# KiCad board EOutside.kicad_pcb (continued)
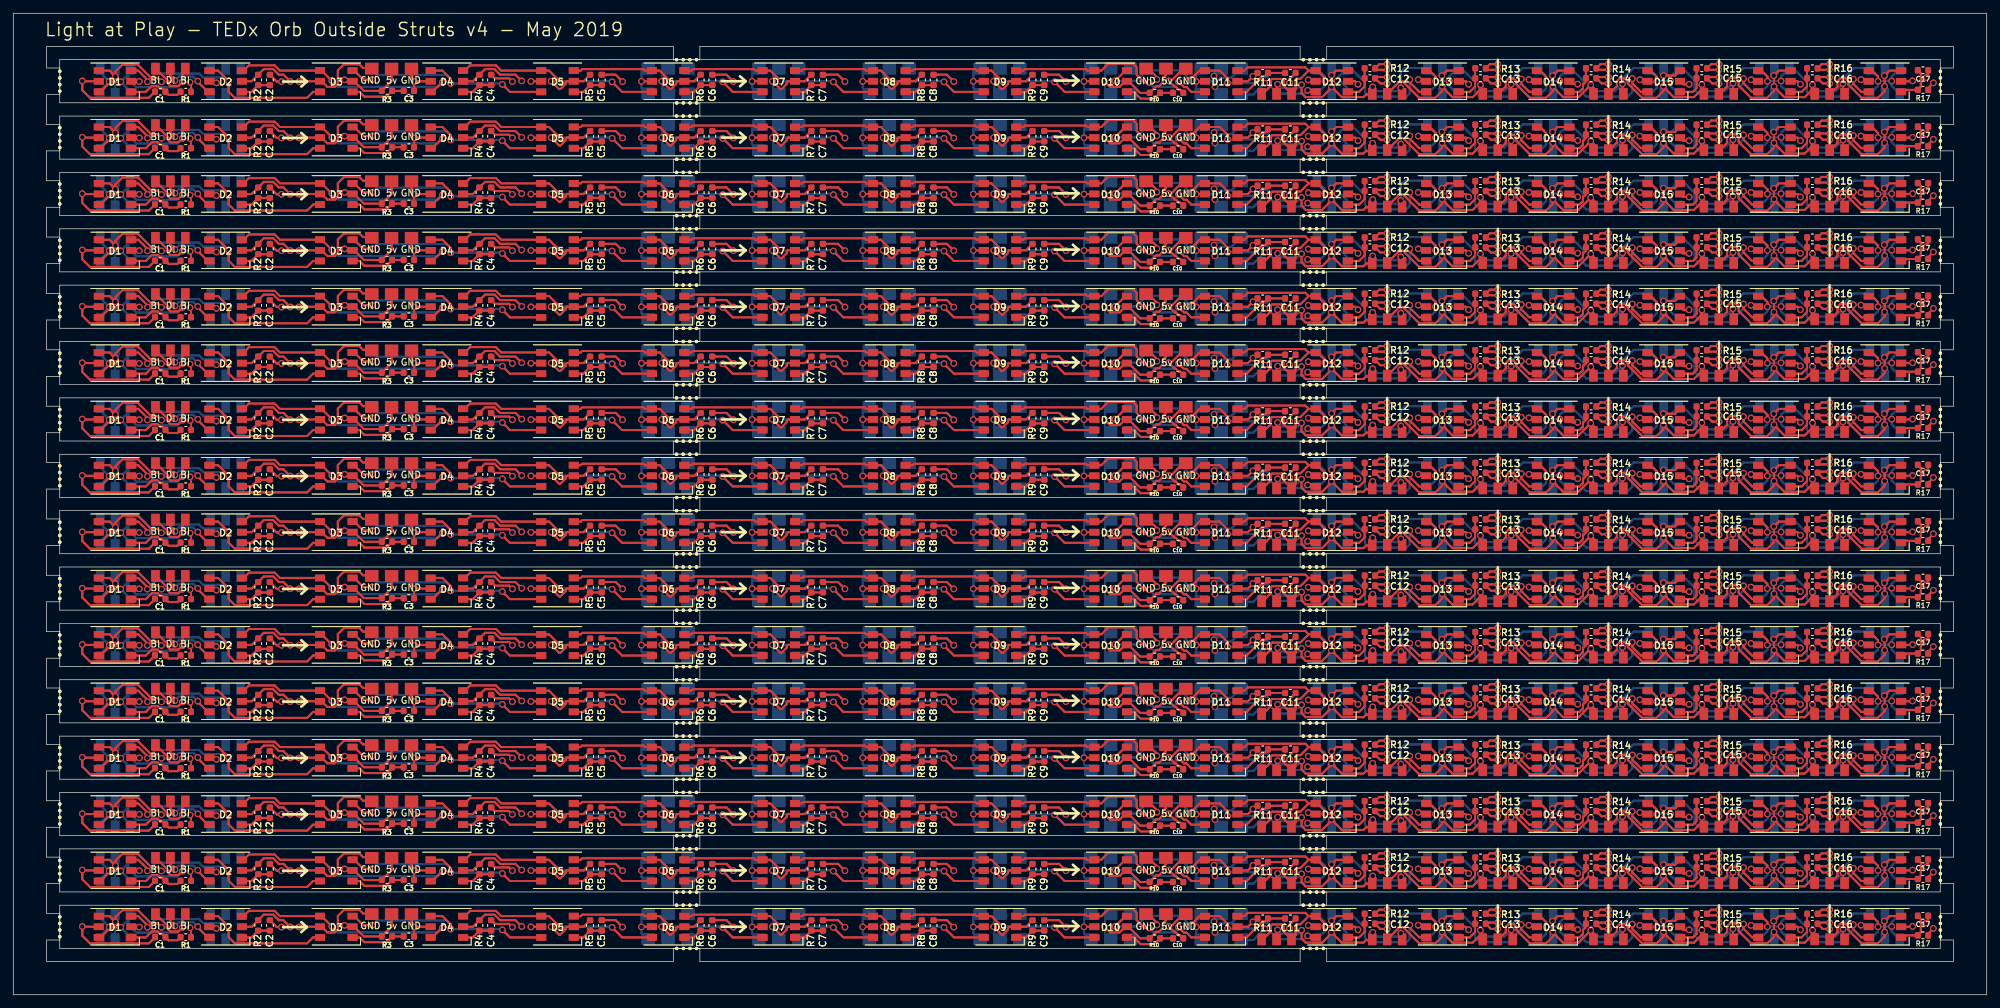
[diagram p0: board, top side]
## Nets (continued)
Net-(D16-Pad3): D16.3 D16#2.3 D16#3.3 D16#4.3 D16#5.3 D16#6.3 D16#7.3 D16#8.3 D16#9.3 D16#10.3 D16#11.3 D16#12.3 D16#13.3 D16#14.3 D16#15.3 D16#16.3 D16#17.3 D16#18.3 D16#19.3 D16#20.3 D16#21.3 D16#22.3 D16#23.3 D16#24.3 D16#25.3 D16#26.3 D16#27.3 D16#28.3 D16#29.3 D16#30.3 D16#31.3 D16#32.3 D17.4 D17#2.4 D17#3.4 D17#4.4 D17#5.4 D17#6.4 D17#7.4 D17#8.4 D17#9.4 D17#10.4 D17#11.4 D17#12.4 D17#13.4 D17#14.4 D17#15.4 D17#16.4 D17#17.4 D17#18.4 D17#19.4 D17#20.4 D17#21.4 D17#22.4 D17#23.4 D17#24.4 D17#25.4 D17#26.4 D17#27.4 D17#28.4 D17#29.4 D17#30.4 D17#31.4 D17#32.4 J14.1 J14#2.1 J14#3.1 J14#4.1 J14#5.1 J14#6.1 J14#7.1 J14#8.1 J14#9.1 J14#10.1 J14#11.1 J14#12.1 J14#13.1 J14#14.1 J14#15.1 J14#16.1 J14#17.1 J14#18.1 J14#19.1 J14#20.1 J14#21.1 J14#22.1 J14#23.1 J14#24.1 J14#25.1 J14#26.1 J14#27.1 J14#28.1 J14#29.1 J14#30.1 J14#31.1 J14#32.1 J14#33.1 J14#34.1 J14#35.1 J14#36.1 J14#37.1 J14#38.1 J14#39.1 J14#40.1 J14#41.1 J14#42.1 J14#43.1 J14#44.1 J14#45.1 J14#46.1 J14#47.1 J14#48.1 J14#49.1 J14#50.1 J14#51.1 J14#52.1 J14#53.1 J14#54.1 J14#55.1 J14#56.1 J14#57.1 J14#58.1 J14#59.1 J14#60.1 J14#61.1 J14#62.1 J14#63.1 J14#64.1 J14#65.1 J14#66.1 J14#67.1 J14#68.1 J14#69.1 J14#70.1 J14#71.1 J14#72.1 J14#73.1 J14#74.1 J14#75.1 J14#76.1 J14#77.1 J14#78.1 J14#79.1 J14#80.1 J14#81.1 J14#82.1 J14#83.1 J14#84.1 J14#85.1 J14#86.1 J14#87.1 J14#88.1 J14#89.1 J14#90.1 J14#91.1 J14#92.1 J14#93.1 J14#94.1 J14#95.1 J14#96.1 J15.2 J15#2.2 J15#3.2 J15#4.2 J15#5.2 J15#6.2 J15#7.2 J15#8.2 J15#9.2 J15#10.2 J15#11.2 J15#12.2 J15#13.2 J15#14.2 J15#15.2 J15#16.2 J15#17.2 J15#18.2 J15#19.2 J15#20.2 J15#21.2 J15#22.2 J15#23.2 J15#24.2 J15#25.2 J15#26.2 J15#27.2 J15#28.2 J15#29.2 J15#30.2 J15#31.2 J15#32.2 J15#33.2 J15#34.2 J15#35.2 J15#36.2 J15#37.2 J15#38.2 J15#39.2 J15#40.2 J15#41.2 J15#42.2 J15#43.2 J15#44.2 J15#45.2 J15#46.2 J15#47.2 J15#48.2 J15#49.2 J15#50.2 J15#51.2 J15#52.2 J15#53.2 J15#54.2 J15#55.2 J15#56.2 J15#57.2 J15#58.2 J15#59.2 J15#60.2 J15#61.2 J15#62.2 J15#63.2 J15#64.2 J15#65.2 J15#66.2 J15#67.2 J15#68.2 J15#69.2 J15#70.2 J15#71.2 J15#72.2 J15#73.2 J15#74.2 J15#75.2 J15#76.2 J15#77.2 J15#78.2 J15#79.2 J15#80.2 J15#81.2 J15#82.2 J15#83.2 J15#84.2 J15#85.2 J15#86.2 J15#87.2 J15#88.2 J15#89.2 J15#90.2 J15#91.2 J15#92.2 J15#93.2 J15#94.2 J15#95.2 J15#96.2
Net-(D17-Pad3): D17.3 D17#2.3 D17#3.3 D17#4.3 D17#5.3 D17#6.3 D17#7.3 D17#8.3 D17#9.3 D17#10.3 D17#11.3 D17#12.3 D17#13.3 D17#14.3 D17#15.3 D17#16.3 D17#17.3 D17#18.3 D17#19.3 D17#20.3 D17#21.3 D17#22.3 D17#23.3 D17#24.3 D17#25.3 D17#26.3 D17#27.3 D17#28.3 D17#29.3 D17#30.3 D17#31.3 D17#32.3 J15.1 J15#2.1 J15#3.1 J15#4.1 J15#5.1 J15#6.1 J15#7.1 J15#8.1 J15#9.1 J15#10.1 J15#11.1 J15#12.1 J15#13.1 J15#14.1 J15#15.1 J15#16.1 J15#17.1 J15#18.1 J15#19.1 J15#20.1 J15#21.1 J15#22.1 J15#23.1 J15#24.1 J15#25.1 J15#26.1 J15#27.1 J15#28.1 J15#29.1 J15#30.1 J15#31.1 J15#32.1 J15#33.1 J15#34.1 J15#35.1 J15#36.1 J15#37.1 J15#38.1 J15#39.1 J15#40.1 J15#41.1 J15#42.1 J15#43.1 J15#44.1 J15#45.1 J15#46.1 J15#47.1 J15#48.1 J15#49.1 J15#50.1 J15#51.1 J15#52.1 J15#53.1 J15#54.1 J15#55.1 J15#56.1 J15#57.1 J15#58.1 J15#59.1 J15#60.1 J15#61.1 J15#62.1 J15#63.1 J15#64.1 J15#65.1 J15#66.1 J15#67.1 J15#68.1 J15#69.1 J15#70.1 J15#71.1 J15#72.1 J15#73.1 J15#74.1 J15#75.1 J15#76.1 J15#77.1 J15#78.1 J15#79.1 J15#80.1 J15#81.1 J15#82.1 J15#83.1 J15#84.1 J15#85.1 J15#86.1 J15#87.1 J15#88.1 J15#89.1 J15#90.1 J15#91.1 J15#92.1 J15#93.1 J15#94.1 J15#95.1 J15#96.1

Pads without a net: J7#37 1 2; J7#38 1 2; J7#39 1 2; J7#40 1 2; J7#45 1 2; J7#46 1 2; J7#50 1 2; J7#51 1 2; J7#57 1 2; J7#58 1 2; J7#62 1 2; J7#63 1 2; J7#68 1 2; J7#69 1 2; J7#73 1 2; J7#74 1 2; J7#81 1 2; J7#82 1 2; J7#86 1 2; J7#87 1 2; J7#92 1 2; J7#93 1 2; J7#97 1 2; J7#98 1 2; J7#103 1 2; J7#104 1 2; J7#109 1 2; J7#113 1 2; J7#114 1 2; J7#115 1 2; J7#119 1 2; J7#122 1 2; J7#131 1 2; J7#133 1 2; J7#134 1 2; J7#140 1 2; J7#144 1 2; J7#146 1 2; J7#147 1 2; J7#150 1 2; J7#151 1 2; J7#153 1 2; J7#154 1 2; J7#168 1 2; J7#169 1 2; J7#172 1 2; J7#173 1 2; J7#176 1 2; J7#180 1 2; J7#184 1 2; J7#186 1 2; J7#187 1 2; J7#190 1 2; J7#192 1 2; J7#194 1 2; J7#195 1 2; J7#198 1 2; J7#199 1 2; J7#202 1 2; J7#204 1 2; J7#205 1 2; J7#211 1 2; J7#217 1 2; J7#218 1 2

## Via types
v1: diameter 1, hole 0.6, Top to Bottom, 4352 vias
v2: diameter 0.9, hole 0.6, Top to Bottom, 160 vias

## Routing (per net, layer and track width the routed paths; a pad name or vN(x,y) marks a point on that pad's centre or on a via; arc(x,y) is an arc through that point)
+5V: length 4777.5
  Top w0.3: 152.58,137.75 R9.1 152.58,137.75 ; 152.58,137.75 D9.2 ; 152.58,137.75 D9.2 ; 135.91,137.75 R8.1 135.91,137.75 ; 135.91,137.75 D8.2 ; 135.91,137.75 D8.2 ; 119.25,137.75 R7.1 119.25,137.75 ; 119.25,137.75 D7.2 ; 119.25,137.75 D7.2 ; 102.58,137.75 R6.1 102.58,137.75 ; 102.58,137.75 D6.2 ; 102.58,137.75 D6.2 ; 85.91,137.75 R5.1 85.91,137.75 ; 85.91,137.75 D5.2 ; 85.91,137.75 D5.2 ; 69.25,137.75 R4.1 ; 69.25,137.75 D4.2 69.25,137.75 ; 69.25,137.75 R4.1 ; R4.1 71.07,139.58 ; R4.1 71.07,139.58 ; 35.91,137.75 R2.1 ; 35.91,137.75 D2.2 35.91,137.75 ; 35.91,137.75 R2.1 ; R2.1 37.74,139.58 ; R2.1 37.74,139.58 ; D9.2 150.07,137.75 ; D9.2 150.07,137.75 ; D8.2 133.4,137.75 ; D8.2 133.4,137.75 ; D7.2 116.73,137.75 ; D7.2 116.73,137.75 ; D6.2 100.07,137.75 ; D6.2 100.07,137.75 ; D5.2 83.4,137.75 ; D5.2 83.4,137.75 ; 148.9,136.57 v1(147.72,137.75) 148.9,136.57 ; 148.9,136.57 149.11,136.57 ; 148.9,136.57 149.11,136.57 ; 132.23,136.57 v1(131.05,137.75) 132.23,136.57 ; 132.23,136.57 132.44,136.57 ; 132.23,136.57 132.44,136.57 ; 115.56,136.57 v1(114.38,137.75) 115.56,136.57 ; 115.56,136.57 115.77,136.57 ; 115.56,136.57 115.77,136.57 ; 98.9,136.57 v1(97.72,137.75) 98.9,136.57 ; 98.9,136.57 99.11,136.57 ; 98.9,136.57 99.11,136.57 ; 82.23,136.57 v1(81.05,137.75) 82.23,136.57 ; 82.23,136.57 82.44,136.57 ; 82.23,136.57 82.44,136.57 ; 149.11,136.57 149.87,137.34 ; 149.11,136.57 149.87,137.34 ; 132.44,136.57 133.21,137.34 ; 132.44,136.57 133.21,137.34 ; 115.77,136.57 116.54,137.34 ; 115.77,136.57 116.54,137.34 ; 99.11,136.57 99.87,137.34 ; 99.11,136.57 99.87,137.34 ; 82.44,136.57 83.2,137.34 ; 82.44,136.57 83.2,137.34 ; 149.87,137.55 149.87,137.34 ; 149.87,137.55 150.07,137.75 ; 149.87,137.55 150.07,137.75 ; 149.87,137.55 149.87,137.34 ; 133.21,137.55 133.21,137.34 ; 133.21,137.55 133.4,137.75 ; 133.21,137.55 133.21,137.34 ; 133.21,137.55 133.4,137.75 ; 116.54,137.55 116.54,137.34 ; 116.54,137.55 116.73,137.75 ; 116.54,137.55 116.54,137.34 ; 116.54,137.55 116.73,137.75 ; 99.87,137.55 99.87,137.34 ; 99.87,137.55 100.07,137.75 ; 99.87,137.55 100.07,137.75 ; 99.87,137.55 99.87,137.34 ; 83.2,137.55 83.2,137.34 ; 83.2,137.55 83.4,137.75 ; 83.2,137.55 83.2,137.34 ; 83.2,137.55 83.4,137.75 ; 218.82,137.75 D13.2 218.82,137.75 ; 218.82,137.75 v1(219.27,137.3) 218.82,137.75 ; 222.47,140.33 v1(223.67,140.33) 222.47,140.33 ; 222.47,140.33 221.85,139.7 ; 222.47,140.33 221.85,139.7 ; 221.85,139.7 222.07,139.48 ; 221.85,139.7 222.07,139.48 ; 222.07,139.48 v2(223.67,139.48) 222.07,139.48 ; 239.14,140.33 v1(240.33,140.33) 239.14,140.33 ; 239.14,140.33 R14.1 ; 239.14,140.33 R14.1 ; 238.74,139.48 v2(240.33,139.48) 238.74,139.48 ; 238.74,139.48 R14.1 ; 238.74,139.48 R14.1 ; 255.81,140.33 v1(257,140.33) 255.81,140.33 ; 255.81,140.33 R15.1 ; 255.81,140.33 R15.1 ; 255.41,139.48 R15.1 ; 255.41,139.48 v2(257,139.48) 255.41,139.48 ; 255.41,139.48 R15.1 ; 268.82,137.75 v1(269.27,137.3) 268.82,137.75 ; 268.82,137.75 D16.2 268.82,137.75 ; 272.47,140.33 v1(273.67,140.33) 272.47,140.33 ; 272.47,140.33 271.85,139.7 ; 272.47,140.33 271.85,139.7 ; 272.07,139.48 271.85,139.7 ; 272.07,139.48 v2(273.67,139.48) 272.07,139.48 ; 272.07,139.48 271.85,139.7 ; R10#2.1 169.78,127.5 ; R10#2.1 172.21,128.5 ; R10#2.1 169.78,127.5 ; R10#2.1 172.21,128.5 ; 169.78,127.5 168.03,129.25 ; 169.78,127.5 168.03,129.25 ; 268.82,129.25 D16#2.2 268.82,129.25 ; 268.82,129.25 v1(269.27,128.8) 268.82,129.25 ; 255.81,131.83 v1(257,131.83) 255.81,131.83 ; 255.81,131.83 R15#2.1 ; 255.81,131.83 R15#2.1 ; 238.74,130.98 R14#2.1 ; 238.74,130.98 v2(240.33,130.98) 238.74,130.98 ; 238.74,130.98 R14#2.1 ; R14#2.1 239.14,131.83 ; R14#2.1 239.14,131.83 ; 272.07,130.98 271.85,131.2 ; 272.07,130.98 v2(273.67,130.98) 272.07,130.98 ; 272.07,130.98 271.85,131.2 ; 271.85,131.2 272.47,131.83 ; 271.85,131.2 272.47,131.83 ; 239.14,131.83 v1(240.33,131.83) 239.14,131.83 ; 222.07,130.98 v2(223.67,130.98) 222.07,130.98 ; 222.07,130.98 221.85,131.2 ; 222.07,130.98 221.85,131.2 ; 172.63,128.5 173.2,129.07 ; 172.63,128.5 172.21,128.5 ; 172.63,128.5 173.2,129.07 ; 172.63,128.5 172.21,128.5 ; 173.2,129.07 173.2,129.73 ; 173.2,129.07 173.2,129.73 ; 173.2,129.73 173.67,130.2 ; 173.2,129.73 173.67,130.2 ; 173.67,130.2 173.67,131.25 173.67,130.2 ; 167.53,129.25 166.68,128.4 ; 167.53,129.25 D10#2.2 ; 167.53,129.25 166.68,128.4 ; 167.53,129.25 D10#2.2 ; 166.68,128.4 165.23,128.4 ; 166.68,128.4 165.23,128.4 ; 168.03,129.25 D10#2.2 ; 168.03,129.25 D10#2.2 ; 165.23,128.4 164.88,128.75 ; 165.23,128.4 164.88,128.75 ; 164.88,128.75 v1(164.38,129.25) 164.88,128.75 ; 71.07,131.08 72.5,131.08 ; 71.07,131.08 R4#2.1 ; 71.07,131.08 72.5,131.08 ; 71.07,131.08 R4#2.1 ; 72.5,131.08 73.34,130.24 ; 72.5,131.08 73.34,130.24 ; 75.66,130.24 v1(76.6,129.3) 75.66,130.24 ; 75.66,130.24 73.34,130.24 ; 75.66,130.24 73.34,130.24 ; 272.47,131.83 v1(273.67,131.83) 272.47,131.83 ; R15#2.1 255.41,130.98 ; R15#2.1 255.41,130.98 ; 255.41,130.98 v2(257,130.98) 255.41,130.98 ; 222.47,131.83 v1(223.67,131.83) 222.47,131.83 ; 222.47,131.83 221.85,131.2 ; 222.47,131.83 221.85,131.2 ; 235,128.82 v1(235.71,128.82) 235,128.82 ; 235,128.82 234.88,128.82 ; 235,128.82 234.88,128.82 ; 251.79,128.79 v1(252.5,128.79) 251.79,128.79 ; 251.79,128.79 251.57,128.79 ; 251.79,128.79 251.57,128.79 ; 234.88,128.82 D14#2.2 234.88,128.82 ; 251.57,128.79 D15#2.2 251.57,128.79 ; 186.02,129.25 186.27,129.5 ; 186.02,129.25 D11#2.2 186.02,129.25 ; 186.02,129.25 186.27,129.5 ; 186.27,129.5 v1(186.77,130) ; 186.27,129.5 v1(186.77,130) ; v1(186.77,130) 186.96,130 ; v1(186.77,130) 186.96,130 ; 186.96,130 R11#2.1 186.96,130 ; 286.12,129.25 v1(286.17,129.3) 286.12,129.25 ; 286.12,129.25 D17#2.2 286.12,129.25 ; 288.52,128.23 v1(289.29,129) 288.52,128.23 ; 288.52,128.23 R17#2.1 288.52,128.23 ; 202.15,129.25 D12#2.2 202.15,129.25 ; 202.15,129.25 v1(202.6,128.8) 202.15,129.25 ; 18.94,129.25 D1#2.2 18.94,129.25 ; 18.94,129.25 v1(18.99,129.2) 18.94,129.25 ; 26.78,128.96 v1(26.64,129.1) 26.78,128.96 ; 26.78,128.96 R1#2.1 26.78,128.96 ; 205.81,131.83 R12#2.1 ; 205.81,131.83 v1(207,131.83) 205.81,131.83 ; 205.81,131.83 R12#2.1 ; R12#2.1 205.41,130.98 ; R12#2.1 205.41,130.98 ; 218.82,129.25 D13#2.2 218.82,129.25 ; 218.82,129.25 v1(219.27,128.8) 218.82,129.25 ; 205.41,130.98 v2(207,130.98) 205.41,130.98 ; 41.23,129.71 v1(41.73,129.21) 41.23,129.71 ; 41.23,129.71 40.7,130.24 ; 41.23,129.71 40.7,130.24 ; 69.25,129.25 R4#2.1 ; 69.25,129.25 D4#2.2 69.25,129.25 ; 69.25,129.25 R4#2.1 ; 50.07,129.25 49.92,129.4 ; 50.07,129.25 D3#2.2 ; 50.07,129.25 49.92,129.4 ; 50.07,129.25 D3#2.2 ; 49.92,129.4 v1(49.92,129.47) 49.92,129.4 ; D3#2.2 51.37,129.25 ; D3#2.2 51.37,129.25 ; 39.17,131.08 40.01,130.24 ; 39.17,131.08 37.74,131.08 ; 39.17,131.08 40.01,130.24 ; 39.17,131.08 37.74,131.08 ; 40.01,130.24 40.7,130.24 ; 40.01,130.24 40.7,130.24 ; 37.74,131.08 R2#2.1 ; 37.74,131.08 R2#2.1 ; R2#2.1 35.91,129.25 ; R2#2.1 35.91,129.25 ; 83.2,129.05 83.2,128.84 ; 83.2,129.05 83.4,129.25 ; 83.2,129.05 83.2,128.84 ; 83.2,129.05 83.4,129.25 ; 83.2,128.84 82.44,128.07 ; 83.2,128.84 82.44,128.07 ; 35.91,129.25 D2#2.2 35.91,129.25 ; 85.91,129.25 R5#2.1 85.91,129.25 ; 85.91,129.25 D5#2.2 ; 85.91,129.25 D5#2.2 ; 82.44,128.07 82.23,128.07 ; 82.44,128.07 82.23,128.07 ; 82.23,128.07 v1(81.05,129.25) 82.23,128.07 ; D5#2.2 83.4,129.25 ; D5#2.2 83.4,129.25 ; 99.87,128.84 99.11,128.07 ; 99.87,128.84 99.87,129.05 ; 99.87,128.84 99.11,128.07 ; 99.87,128.84 99.87,129.05 ; 99.11,128.07 98.9,128.07 ; 99.11,128.07 98.9,128.07 ; 100.07,129.25 99.87,129.05 ; 100.07,129.25 D6#2.2 ; 100.07,129.25 99.87,129.05 ; 100.07,129.25 D6#2.2 ; D6#2.2 102.58,129.25 ; D6#2.2 102.58,129.25 ; 148.9,128.07 v1(147.72,129.25) 148.9,128.07 ; 148.9,128.07 149.11,128.07 ; 148.9,128.07 149.11,128.07 ; 149.11,128.07 149.87,128.84 ; 149.11,128.07 149.87,128.84 ; 150.07,129.25 149.87,129.05 ; 150.07,129.25 D9#2.2 ; 150.07,129.25 149.87,129.05 ; 150.07,129.25 D9#2.2 ; 149.87,129.05 149.87,128.84 ; 149.87,129.05 149.87,128.84 ; D9#2.2 152.58,129.25 ; D9#2.2 152.58,129.25 ; 152.58,129.25 R9#2.1 152.58,129.25 ; 135.91,129.25 R8#2.1 135.91,129.25 ; 135.91,129.25 D8#2.2 ; 135.91,129.25 D8#2.2 ; D8#2.2 133.4,129.25 ; D8#2.2 133.4,129.25 ; 132.23,128.07 v1(131.05,129.25) 132.23,128.07 ; 132.23,128.07 132.44,128.07 ; 132.23,128.07 132.44,128.07 ; 132.44,128.07 133.21,128.84 ; 132.44,128.07 133.21,128.84 ; 133.21,129.05 133.21,128.84 ; 133.21,129.05 133.4,129.25 ; 133.21,129.05 133.21,128.84 ; 133.21,129.05 133.4,129.25 ; 119.25,129.25 R7#2.1 119.25,129.25 ; 119.25,129.25 D7#2.2 ; 119.25,129.25 D7#2.2 ; D7#2.2 116.73,129.25 ; D7#2.2 116.73,129.25 ; 115.56,128.07 v1(114.38,129.25) 115.56,128.07 ; 115.56,128.07 115.77,128.07 ; 115.56,128.07 115.77,128.07 ; 115.77,128.07 116.54,128.84 ; 115.77,128.07 116.54,128.84 ; 116.54,129.05 116.54,128.84 ; 116.54,129.05 116.73,129.25 ; 116.54,129.05 116.54,128.84 ; 116.54,129.05 116.73,129.25 ; 102.58,129.25 R6#2.1 102.58,129.25 ; 98.9,128.07 v1(97.72,129.25) 98.9,128.07 ; R3#2.1 52.82,127.8 ; R3#2.1 57,129.29 ; R3#2.1 52.82,127.8 ; R3#2.1 57,129.29 ; 52.82,127.8 51.37,129.25 ; 52.82,127.8 51.37,129.25 ; 57,129.29 57,131.25 57,129.29 ; R10#3.1 169.78,119 ; R10#3.1 172.21,120 ; R10#3.1 169.78,119 ; R10#3.1 172.21,120 ; 169.78,119 168.03,120.75 ; 169.78,119 168.03,120.75 ; 268.82,120.75 D16#3.2 268.82,120.75 ; 268.82,120.75 v1(269.27,120.3) 268.82,120.75 ; 255.81,123.33 v1(257,123.33) 255.81,123.33 ; 255.81,123.33 R15#3.1 ; 255.81,123.33 R15#3.1 ; 238.74,122.48 R14#3.1 ; 238.74,122.48 v2(240.33,122.48) 238.74,122.48 ; 238.74,122.48 R14#3.1 ; R14#3.1 239.14,123.33 ; R14#3.1 239.14,123.33 ; 272.07,122.48 271.85,122.7 ; 272.07,122.48 v2(273.67,122.48) 272.07,122.48 ; 272.07,122.48 271.85,122.7 ; 271.85,122.7 272.47,123.33 ; 271.85,122.7 272.47,123.33 ; 239.14,123.33 v1(240.33,123.33) 239.14,123.33 ; 222.07,122.48 v2(223.67,122.48) 222.07,122.48 ; 222.07,122.48 221.85,122.7 ; 222.07,122.48 221.85,122.7 ; 172.63,120 173.2,120.57 ; 172.63,120 172.21,120 ; 172.63,120 173.2,120.57 ; 172.63,120 172.21,120 ; 173.2,120.57 173.2,121.23 ; 173.2,120.57 173.2,121.23 ; 173.2,121.23 173.67,121.7 ; 173.2,121.23 173.67,121.7 ; 173.67,121.7 173.67,122.75 173.67,121.7 ; 167.53,120.75 166.68,119.9 ; 167.53,120.75 D10#3.2 ; 167.53,120.75 166.68,119.9 ; 167.53,120.75 D10#3.2 ; 166.68,119.9 165.23,119.9 ; 166.68,119.9 165.23,119.9 ; 168.03,120.75 D10#3.2 ; 168.03,120.75 D10#3.2 ; 165.23,119.9 164.88,120.25 ; 165.23,119.9 164.88,120.25 ; 164.88,120.25 v1(164.38,120.75) 164.88,120.25 ; 71.07,122.58 72.5,122.58 ; 71.07,122.58 R4#3.1 ; 71.07,122.58 R4#3.1 ; 71.07,122.58 72.5,122.58 ; 72.5,122.58 73.34,121.74 ; 72.5,122.58 73.34,121.74 ; 75.66,121.74 v1(76.6,120.8) 75.66,121.74 ; 75.66,121.74 73.34,121.74 ; 75.66,121.74 73.34,121.74 ; 272.47,123.33 v1(273.67,123.33) 272.47,123.33 ; R15#3.1 255.41,122.48 ; R15#3.1 255.41,122.48 ; 255.41,122.48 v2(257,122.48) 255.41,122.48 ; 222.47,123.33 v1(223.67,123.33) 222.47,123.33 ; 222.47,123.33 221.85,122.7 ; 222.47,123.33 221.85,122.7 ; 235,120.32 v1(235.71,120.32) 235,120.32 ; 235,120.32 234.88,120.32 ; 235,120.32 234.88,120.32 ; 251.79,120.29 v1(252.5,120.29) 251.79,120.29 ; 251.79,120.29 251.57,120.29 ; 251.79,120.29 251.57,120.29 ; 234.88,120.32 D14#3.2 234.88,120.32 ; 251.57,120.29 D15#3.2 251.57,120.29 ; 186.02,120.75 186.27,121 ; 186.02,120.75 D11#3.2 186.02,120.75 ; 186.02,120.75 186.27,121 ; 186.27,121 v1(186.77,121.5) ; 186.27,121 v1(186.77,121.5) ; v1(186.77,121.5) 186.96,121.5 ; v1(186.77,121.5) 186.96,121.5 ; 186.96,121.5 R11#3.1 186.96,121.5 ; 286.12,120.75 v1(286.17,120.8) 286.12,120.75 ; 286.12,120.75 D17#3.2 286.12,120.75 ; 288.52,119.73 v1(289.29,120.5) 288.52,119.73 ; 288.52,119.73 R17#3.1 288.52,119.73 ; 202.15,120.75 D12#3.2 202.15,120.75 ; 202.15,120.75 v1(202.6,120.3) 202.15,120.75 ; 18.94,120.75 D1#4.2 18.94,120.75 ; 18.94,120.75 v1(18.99,120.7) 18.94,120.75 ; 26.78,120.46 v1(26.64,120.6) 26.78,120.46 ; 26.78,120.46 R1#3.1 26.78,120.46 ; 205.81,123.33 R12#3.1 ; 205.81,123.33 v1(207,123.33) 205.81,123.33 ; 205.81,123.33 R12#3.1 ; R12#3.1 205.41,122.48 ; R12#3.1 205.41,122.48 ; 218.82,120.75 D13#3.2 218.82,120.75 ; 218.82,120.75 v1(219.27,120.3) 218.82,120.75 ; 205.41,122.48 v2(207,122.48) 205.41,122.48 ; 41.23,121.21 v1(41.73,120.71) 41.23,121.21 ; 41.23,121.21 40.7,121.74 ; 41.23,121.21 40.7,121.74 ; 69.25,120.75 R4#3.1 ; 69.25,120.75 D4#3.2 69.25,120.75 ; 69.25,120.75 R4#3.1 ; 50.07,120.75 49.92,120.9 ; 50.07,120.75 D3#3.2 ; 50.07,120.75 49.92,120.9 ; 50.07,120.75 D3#3.2 ; 49.92,120.9 v1(49.92,120.97) 49.92,120.9 ; D3#3.2 51.37,120.75 ; D3#3.2 51.37,120.75 ; 39.17,122.58 40.01,121.74 ; 39.17,122.58 37.74,122.58 ; 39.17,122.58 40.01,121.74 ; 39.17,122.58 37.74,122.58 ; 40.01,121.74 40.7,121.74 ; 40.01,121.74 40.7,121.74 ; 37.74,122.58 R2#3.1 ; 37.74,122.58 R2#3.1 ; R2#3.1 35.91,120.75 ; R2#3.1 35.91,120.75 ; 83.2,120.55 83.2,120.34 ; 83.2,120.55 83.4,120.75 ; 83.2,120.55 83.2,120.34 ; 83.2,120.55 83.4,120.75 ; 83.2,120.34 82.44,119.57 ; 83.2,120.34 82.44,119.57 ; 35.91,120.75 D2#3.2 35.91,120.75 ; 85.91,120.75 R5#3.1 85.91,120.75 ; 85.91,120.75 D5#3.2 ; 85.91,120.75 D5#3.2 ; 82.44,119.57 82.23,119.57 ; 82.44,119.57 82.23,119.57 ; 82.23,119.57 v1(81.05,120.75) 82.23,119.57 ; D5#3.2 83.4,120.75 ; D5#3.2 83.4,120.75 ; 99.87,120.34 99.11,119.57 ; 99.87,120.34 99.87,120.55 ; 99.87,120.34 99.11,119.57 ; 99.87,120.34 99.87,120.55 ; 99.11,119.57 98.9,119.57 ; 99.11,119.57 98.9,119.57 ; 100.07,120.75 99.87,120.55 ; 100.07,120.75 D6#4.2 ; 100.07,120.75 99.87,120.55 ; 100.07,120.75 D6#4.2 ; D6#4.2 102.58,120.75 ; D6#4.2 102.58,120.75 ; 148.9,119.57 v1(147.72,120.75) 148.9,119.57 ; 148.9,119.57 149.11,119.57 ; 148.9,119.57 149.11,119.57 ; 149.11,119.57 149.87,120.34 ; 149.11,119.57 149.87,120.34 ; 150.07,120.75 149.87,120.55 ; 150.07,120.75 D9#3.2 ; 150.07,120.75 149.87,120.55 ; 150.07,120.75 D9#3.2 ; 149.87,120.55 149.87,120.34 ; 149.87,120.55 149.87,120.34 ; D9#3.2 152.58,120.75 ; D9#3.2 152.58,120.75 ; 152.58,120.75 R9#4.1 152.58,120.75 ; 135.91,120.75 R8#3.1 135.91,120.75 ; 135.91,120.75 D8#3.2 ; 135.91,120.75 D8#3.2 ; D8#3.2 133.4,120.75 ; D8#3.2 133.4,120.75 ; 132.23,119.57 v1(131.05,120.75) 132.23,119.57 ; 132.23,119.57 132.44,119.57 ; 132.23,119.57 132.44,119.57 ; 132.44,119.57 133.21,120.34 ; 132.44,119.57 133.21,120.34 ; 133.21,120.55 133.21,120.34 ; 133.21,120.55 133.4,120.75 ; 133.21,120.55 133.21,120.34 ; 133.21,120.55 133.4,120.75 ; 119.25,120.75 R7#3.1 119.25,120.75 ; 119.25,120.75 D7#3.2 ; 119.25,120.75 D7#3.2 ; D7#3.2 116.73,120.75 ; D7#3.2 116.73,120.75 ; 115.56,119.57 v1(114.38,120.75) 115.56,119.57 ; 115.56,119.57 115.77,119.57 ; 115.56,119.57 115.77,119.57 ; 115.77,119.57 116.54,120.34 ; 115.77,119.57 116.54,120.34 ; 116.54,120.55 116.54,120.34 ; 116.54,120.55 116.73,120.75 ; 116.54,120.55 116.54,120.34 ; 116.54,120.55 116.73,120.75 ; 102.58,120.75 R6#3.1 102.58,120.75 ; 98.9,119.57 v1(97.72,120.75) 98.9,119.57 ; R3#3.1 52.82,119.3 ; R3#3.1 57,120.79 ; R3#3.1 52.82,119.3 ; R3#3.1 57,120.79 ; 52.82,119.3 51.37,120.75 ; 52.82,119.3 51.37,120.75 ; 57,120.79 57,122.75 57,120.79 ; R10#4.1 169.78,110.5 ; R10#4.1 172.21,111.5 ; R10#4.1 169.78,110.5 ; R10#4.1 172.21,111.5 ; 169.78,110.5 168.03,112.25 ; 169.78,110.5 168.03,112.25 ; 268.82,112.25 D16#4.2 268.82,112.25 ; 268.82,112.25 v1(269.27,111.8) 268.82,112.25 ; 255.81,114.83 v1(257,114.83) 255.81,114.83 ; 255.81,114.83 R15#4.1 ; 255.81,114.83 R15#4.1 ; 238.74,113.98 R14#4.1 ; 238.74,113.98 v2(240.33,113.98) 238.74,113.98 ; 238.74,113.98 R14#4.1 ; R14#4.1 239.14,114.83 ; R14#4.1 239.14,114.83 ; 272.07,113.98 271.85,114.2 ; 272.07,113.98 v2(273.67,113.98) 272.07,113.98 ; 272.07,113.98 271.85,114.2 ; 271.85,114.2 272.47,114.83 ; 271.85,114.2 272.47,114.83 ; 239.14,114.83 v1(240.33,114.83) 239.14,114.83 ; 222.07,113.98 v2(223.67,113.98) 222.07,113.98 ; 222.07,113.98 221.85,114.2 ; 222.07,113.98 221.85,114.2 ; 172.63,111.5 173.2,112.07 ; 172.63,111.5 172.21,111.5 ; 172.63,111.5 173.2,112.07 ; 172.63,111.5 172.21,111.5 ; 173.2,112.07 173.2,112.73 ; 173.2,112.07 173.2,112.73 ; 173.2,112.73 173.67,113.2 ; 173.2,112.73 173.67,113.2 ; 173.67,113.2 173.67,114.25 173.67,113.2 ; 167.53,112.25 166.68,111.4 ; 167.53,112.25 D10#4.2 ; 167.53,112.25 166.68,111.4 ; 167.53,112.25 D10#4.2 ; 166.68,111.4 165.23,111.4 ; 166.68,111.4 165.23,111.4 ; 168.03,112.25 D10#4.2 ; 168.03,112.25 D10#4.2 ; 165.23,111.4 164.88,111.75 ; 165.23,111.4 164.88,111.75 ; 164.88,111.75 v1(164.38,112.25) 164.88,111.75 ; 71.07,114.08 72.5,114.08 ; 71.07,114.08 R4#4.1 ; 71.07,114.08 R4#4.1 ; 71.07,114.08 72.5,114.08 ; 72.5,114.08 73.34,113.24 ; 72.5,114.08 73.34,113.24 ; 75.66,113.24 v1(76.6,112.3) 75.66,113.24 ; 75.66,113.24 73.34,113.24 ; 75.66,113.24 73.34,113.24 ; 272.47,114.83 v1(273.67,114.83) 272.47,114.83 ; R15#4.1 255.41,113.98 ; R15#4.1 255.41,113.98 ; 255.41,113.98 v2(257,113.98) 255.41,113.98 ; 222.47,114.83 v1(223.67,114.83) 222.47,114.83 ; 222.47,114.83 221.85,114.2 ; 222.47,114.83 221.85,114.2 ; 235,111.82 v1(235.71,111.82) 235,111.82 ; 235,111.82 234.88,111.82 ; 235,111.82 234.88,111.82 ; 251.79,111.79 v1(252.5,111.79) 251.79,111.79 ; 251.79,111.79 251.57,111.79 ; 251.79,111.79 251.57,111.79 ; 234.88,111.82 D14#4.2 234.88,111.82 ; 251.57,111.79 D15#4.2 251.57,111.79 ; 186.02,112.25 186.27,112.5 ; 186.02,112.25 D11#4.2 186.02,112.25 ; 186.02,112.25 186.27,112.5 ; 186.27,112.5 v1(186.77,113) ; 186.27,112.5 v1(186.77,113) ; v1(186.77,113) 186.96,113 ; v1(186.77,113) 186.96,113 ; 186.96,113 R11#4.1 186.96,113 ; 286.12,112.25 v1(286.17,112.3) 286.12,112.25 ; 286.12,112.25 D17#4.2 286.12,112.25 ; 288.52,111.23 v1(289.29,112) 288.52,111.23 ; 288.52,111.23 R17#4.1 288.52,111.23 ; 202.15,112.25 D12#4.2 202.15,112.25 ; 202.15,112.25 v1(202.6,111.8) 202.15,112.25 ; 18.94,112.25 D1#3.2 18.94,112.25 ; 18.94,112.25 v1(18.99,112.2) 18.94,112.25 ; 26.78,111.96 v1(26.64,112.1) 26.78,111.96 ; 26.78,111.96 R1#4.1 26.78,111.96 ; 205.81,114.83 R12#4.1 ; 205.81,114.83 v1(207,114.83) 205.81,114.83 ; 205.81,114.83 R12#4.1 ; R12#4.1 205.41,113.98 ; R12#4.1 205.41,113.98 ; 218.82,112.25 D13#4.2 218.82,112.25 ; 218.82,112.25 v1(219.27,111.8) 218.82,112.25 ; 205.41,113.98 v2(207,113.98) 205.41,113.98 ; 41.23,112.71 v1(41.73,112.21) 41.23,112.71 ; 41.23,112.71 40.7,113.24 ; 41.23,112.71 40.7,113.24 ; 69.25,112.25 R4#4.1 ; 69.25,112.25 D4#4.2 69.25,112.25 ; 69.25,112.25 R4#4.1 ; 50.07,112.25 49.92,112.4 ; 50.07,112.25 D3#4.2 ; 50.07,112.25 49.92,112.4 ; 50.07,112.25 D3#4.2 ; 49.92,112.4 v1(49.92,112.47) 49.92,112.4 ; D3#4.2 51.37,112.25 ; D3#4.2 51.37,112.25 ; 39.17,114.08 40.01,113.24 ; 39.17,114.08 37.74,114.08 ; 39.17,114.08 40.01,113.24 ; 39.17,114.08 37.74,114.08 ; 40.01,113.24 40.7,113.24 ; 40.01,113.24 40.7,113.24 ; 37.74,114.08 R2#4.1 ; 37.74,114.08 R2#4.1 ; R2#4.1 35.91,112.25 ; R2#4.1 35.91,112.25 ; 83.2,112.05 83.2,111.84 ; 83.2,112.05 83.4,112.25 ; 83.2,112.05 83.2,111.84 ; 83.2,112.05 83.4,112.25 ; 83.2,111.84 82.44,111.07 ; 83.2,111.84 82.44,111.07 ; 35.91,112.25 D2#4.2 35.91,112.25 ; 85.91,112.25 R5#4.1 85.91,112.25 ; 85.91,112.25 D5#4.2 ; 85.91,112.25 D5#4.2 ; 82.44,111.07 82.23,111.07 ; 82.44,111.07 82.23,111.07 ; 82.23,111.07 v1(81.05,112.25) 82.23,111.07 ; D5#4.2 83.4,112.25 ; D5#4.2 83.4,112.25 ; 99.87,111.84 99.11,111.07 ; 99.87,111.84 99.87,112.05 ; 99.87,111.84 99.11,111.07 ; 99.87,111.84 99.87,112.05 ; 99.11,111.07 98.9,111.07 ; 99.11,111.07 98.9,111.07 ; 100.07,112.25 99.87,112.05 ; 100.07,112.25 D6#3.2 ; 100.07,112.25 99.87,112.05 ; 100.07,112.25 D6#3.2 ; D6#3.2 102.58,112.25 ; D6#3.2 102.58,112.25 ; 148.9,111.07 v1(147.72,112.25) 148.9,111.07 ; 148.9,111.07 149.11,111.07 ; 148.9,111.07 149.11,111.07 ; 149.11,111.07 149.87,111.84 ; 149.11,111.07 149.87,111.84 ; 150.07,112.25 149.87,112.05 ; 150.07,112.25 D9#4.2 ; 150.07,112.25 149.87,112.05 ; 150.07,112.25 D9#4.2 ; 149.87,112.05 149.87,111.84 ; 149.87,112.05 149.87,111.84 ; D9#4.2 152.58,112.25 ; D9#4.2 152.58,112.25 ; 152.58,112.25 R9#3.1 152.58,112.25 ; 135.91,112.25 R8#4.1 135.91,112.25 ; 135.91,112.25 D8#4.2 ; 135.91,112.25 D8#4.2 ; D8#4.2 133.4,112.25 ; D8#4.2 133.4,112.25 ; 132.23,111.07 v1(131.05,112.25) 132.23,111.07 ; 132.23,111.07 132.44,111.07 